# Altium PCB 輸出輸入擴充模組_20240808.PcbDoc
Units mil, origin at the board's own origin, x right, y up, seen from the top; angles counter-clockwise.
Board outline 1732.28 x 3937.01 mil, 2 copper layers (Top Layer, Bottom Layer), stack 61.756 mil thick; 40 components, 38 nets, 218 pads, 14 vias.
Unrouted connection lines stored in the file: 3.
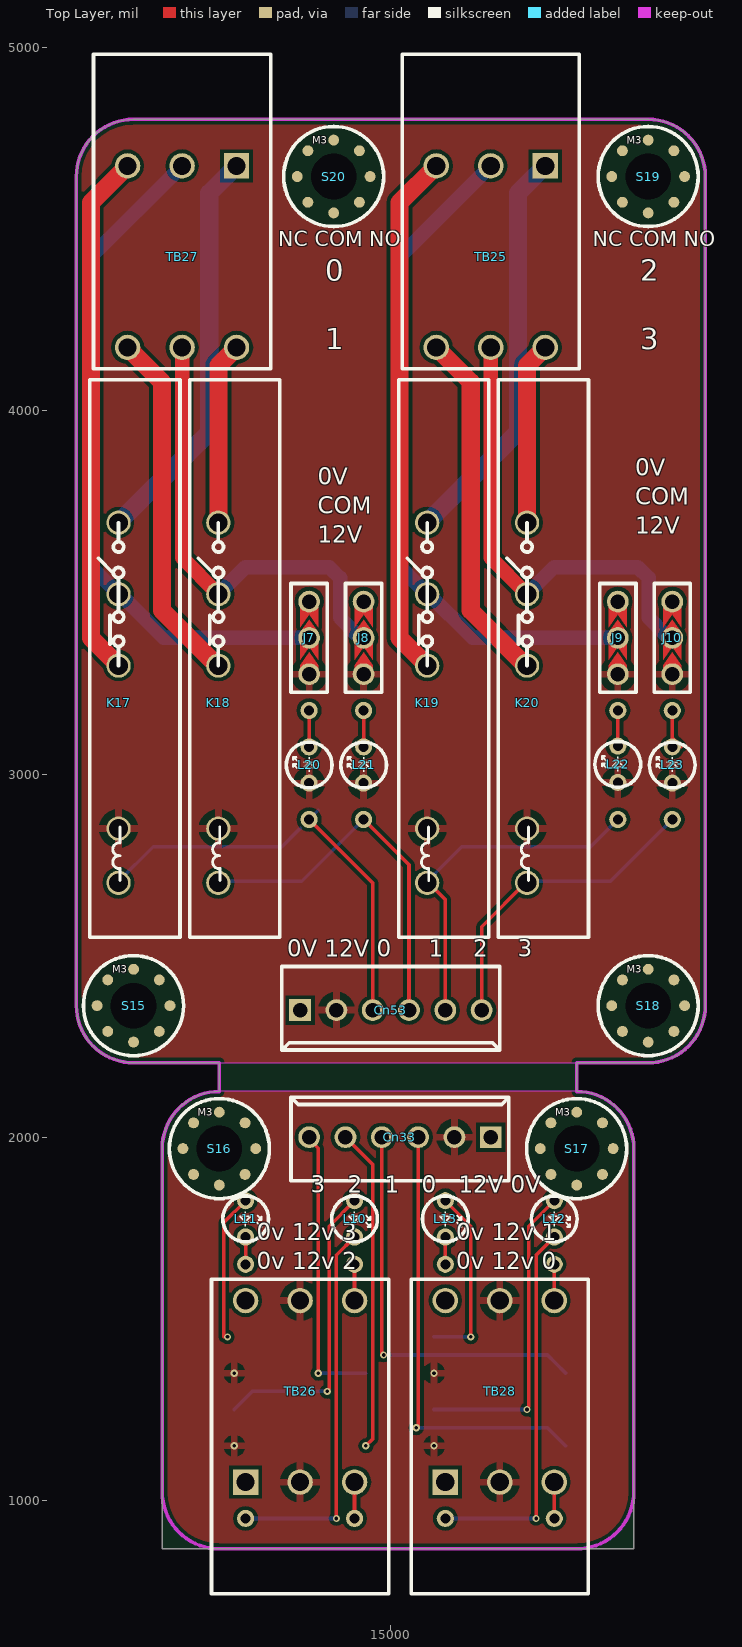
[diagram p0: Top Layer view]
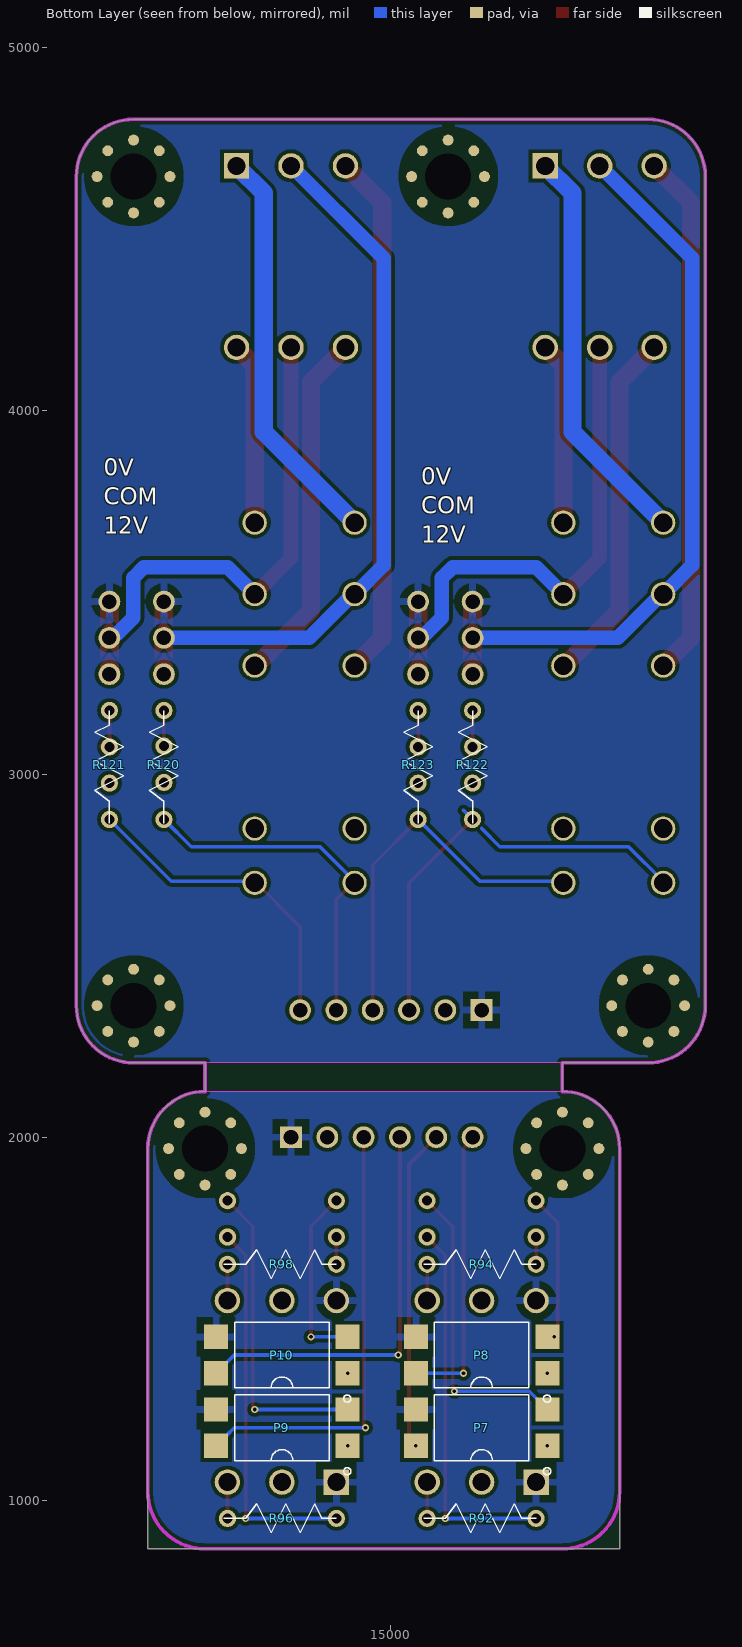
[diagram p1: Bottom Layer view, seen from below]
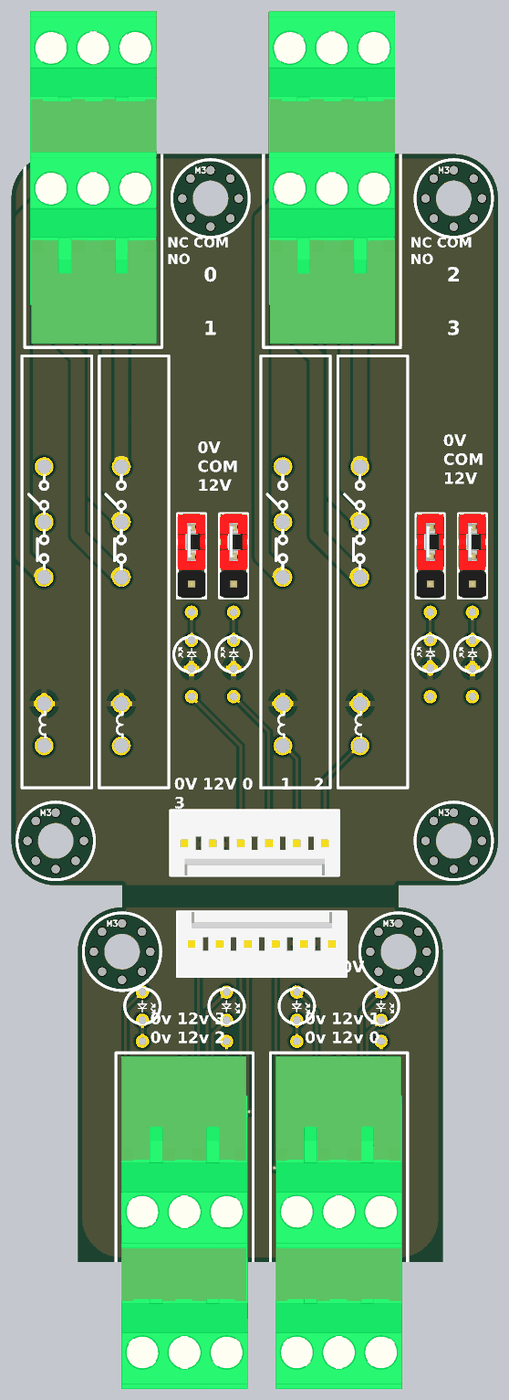
[diagram p2: 3D render of the assembled board from above, using the file's embedded part models]

## Layer stack, top to bottom
Top Solder: solder mask 1, SM-001, Dk 4
Top Layer: signal copper 1.378
Dielectric 1: core 59, Core-043, Dk 4.3
Bottom Layer: signal copper 1.378
Bottom Solder: solder mask 1, SM-001, Dk 4

## Board outline
14370.08,866.14 14370.08,1968.5 cw(c14527.56,1968.5) 14527.56,2125.98 14527.56,2204.72 14291.34,2204.72 cw(c14291.34,2362.2) 14133.86,2362.2 14133.86,4645.67 cw(c14291.34,4645.67) 14291.34,4803.15 15708.66,4803.15 cw(c15708.66,4645.67) 15866.14,4645.67 15866.14,2362.2 cw(c15708.66,2362.2) 15708.66,2204.72 15511.81,2204.72 15511.81,2125.98 cw(c15511.81,1968.5) 15669.29,1968.5 15669.29,866.14

## Design rules (kind name [scope] priority, off if disabled: settings)
Clearance [All] p1: gap=10 ignorepadtopadclearanceinfootprint=FALSE
ComponentClearance [All] p1: gap=0 collisioncheckmode=3 verticalgap=0 showdistances=FALSE
Height [All] p1: minheight=0 maxheight=2000 prefheight=500
PlaneClearance [All] p1: clearance=30
PlaneConnect [All] p1: planeconnectstyle=Relief reliefexpansion=20 reliefentries=4 reliefconductorwidth=10 reliefairgap=20
PolygonConnect [All] p1: connectstyle=Relief reliefconductorwidth=20 reliefentries=4 polygonreliefangle="90 Angle" airgapwidth=20
RoutingVias [All] p1: holewidth=28 width=50 viastyle="Through Hole" minholewidth=10 minwidth=20 maxholewidth=28 maxwidth=50
SolderMaskExpansion [All] p1: expansion=4 istentingtop=FALSE
Width [All] p1: maxlimit=100 minlimit=10 preferedwidth=10 minimp=50.000000 maximp=50.000000 favimp=50.000000
26 further rules are at their usual default settings.

## Components (designator, comment, footprint, x,y, rotation, side; value= is the part's Value field where it differs from the comment)
Cn33 "KF2510-6" Connector_KF2510-6A 15275,2000 r270 top
Cn53 "KF2510-6" Connector_KF2510-6A 14750,2350 r90 top
J7 "Jumper(3P)" Bypass_Jumper(3P) 14775,3375 r90 top
J8 "Jumper(3P)" Bypass_Jumper(3P) 14925,3375 r90 top
J9 "Jumper(3P)" Bypass_Jumper(3P) 15625,3375 r90 top
J10 "Jumper(3P)" Bypass_Jumper(3P) 15775,3375 r90 top
K17 "41F-1Z-A" RELAY-HF41F-012-ZST 14250,3495.67 r90 top
K18 "41F-1Z-A" RELAY-HF41F-012-ZST 14525,3495.67 r90 top
K19 "41F-1Z-A" RELAY-HF41F-012-ZST 15100,3495.67 r90 top
K20 "41F-1Z-A" RELAY-HF41F-012-ZST 15375,3495.67 r90 top
L10 "紅" LED-3mm 14900,1775 r90 top
L11 "紅" LED-3mm 14600,1775 r90 top
L12 "紅" LED-3mm 15450,1775 r90 top
L13 "紅" LED-3mm 15150,1775 r90 top
L20 "紅" LED-3mm 14775,3025 r270 top
L21 "紅" LED-3mm 14925,3025 r270 top
L22 "紅" LED-3mm 15625,3026.97 r270 top
L23 "紅" LED-3mm 15775,3025 r270 top
P7 "PC817" PC817 14750,1200 r0 bottom
P8 "PC817" PC817 14750,1400 r0 bottom
P9 "PC817" PC817 15300,1200 r0 bottom
P10 "PC817" PC817 15300,1400 r0 bottom
R92 "1K" Res_1/4 14750,950 r180 bottom
R94 "1K" Res_1/4 14750,1650 r180 bottom
R96 "1K" Res_1/4 15300,950 r180 bottom
R98 "1K" Res_1/4 15300,1650 r180 bottom
R120 "1K" Res_1/4 15625,3025 r90 bottom
R121 "1K" Res_1/4 15775,3025 r90 bottom
R122 "1K" Res_1/4 14775,3025 r90 bottom
R123 "1K" Res_1/4 14925,3025 r90 bottom
S15 "M3" "Screw M3" 14291.34,2362.2 r0 top
S16 "M3" "Screw M3" 14527.56,1968.5 r0 top
S17 "M3" "Screw M3" 15511.81,1968.5 r0 top
S18 "M3" "Screw M3" 15708.66,2362.2 r0 top
S19 "M3" "Screw M3" 15708.66,4645.67 r0 top
S20 "M3" "Screw M3" 14842.52,4645.67 r0 top
TB25 "KF2EDGRT-5.08_6P" "Terminal block(KF2EDGRT-3.81_6P)" 15275,4675 r180 top
TB26 "KF2EDGRT-5.08_6P" "Terminal block(KF2EDGRT-3.81_6P)" 14750,1050 r0 top
TB27 "KF2EDGRT-5.08_6P" "Terminal block(KF2EDGRT-3.81_6P)" 14425,4675 r180 top
TB28 "KF2EDGRT-5.08_6P" "Terminal block(KF2EDGRT-3.81_6P)" 15300,1050 r0 top

## Footprints (in the part's own frame and the unit in brackets; to place one, negate y for a bottom-side part, rotate by r counter-clockwise, add the part's x,y. Pads: shape width x height; smd on the part's side, far side on the other; paste and mask are expansions set on the pad)
Bypass_Jumper(3P) [mil] "跳針(3P)"
  round 60 hole 40: 1(0,0) 2(100,0) 3(-100,0)
  Top Layer region: -95,-25 -95,25 -75,25 -40,0 -75,-25
  Top Layer region: -60,-25 -25,0 -60,25 -5,25 -5,-25
  Top Layer region: -5,-25 -5,25 15,25 50,0 15,-25
  Top Layer region: 30,-25 65,0 30,25 85,25 85,-25
  silkscreen extent -150,-50 150,50, body extent -150,-50 150,50, height 354
Connector_KF2510-6A [mil] "防呆接頭(6P)"
  rect 60x60 hole 40: 1(0,0)
  round 60 hole 40: 2(0,-100) 3(0,-200) 4(0,-300) 5(0,-400) 6(0,-500)
  silkscreen extent -110,-550 120,50, body extent -110,-549 118,49, height 124
LED-3mm [mm]
  round 1.2 hole 0.7: 1(-1.27,0) 2(1.27,0)
  silkscreen extent -1.6,-1.6 1.6,1.6
PC817 [mm] "光耦IC"
  rect 1.68x1.71 smd: 1(-4.6,1.27) 2(-4.6,-1.27) 3(4.6,-1.27) 4(4.6,1.27)
  silkscreen extent -4.83,-2.3 3.3,3.3, body extent -5.08,-2.29 5.08,2.29, height 4.73
RELAY-HF41F-012-ZST [mm] "HF41F-012-ZST+41F-1Z-A"
  round 1.7 hole 1.3: 1(0,0) 2(5,0) 3(-5,0) 4(-16.4,0) 5(-20.2,0)
  silkscreen extent -24,-4.3 15,2
Res_1/4 [mm] "1/4W DIP電阻"
  round 1.2 hole 0.7: 1(-3.81,0) 2(3.81,0)
  silkscreen extent -4.06,-1.02 3.81,1.02
"Screw M3" [mil] "螺絲 M3"
  round 30 smd: 1(-100.39,0) 1(-70.99,-70.99) 1(-70.99,70.99) 1(0,-100.39) 1(0,100.39) 1(70.99,-70.99) 1(70.99,70.99) 1(100.39,0)
  round 30 smd far side: 1(-100.39,0) 1(-70.99,-70.99) 1(-70.99,70.99) 1(0,-100.39) 1(0,100.39) 1(70.99,-70.99) 1(70.99,70.99) 1(100.39,0)
  round 118.11 hole 125.98: 1(0,0)
  Multi-Layer pour cut-out: -1.1,-137.13 -53.83,-126.64 -98.54,-96.77 -128.41,-52.07 -138.9,0.67 -138.9,0.67 -128.41,53.4 -98.54,98.1 -53.83,127.97 -1.1,138.46 -1.1,138.46 51.63,127.97 96.33,98.1 126.2,53.4 136.69,0.67 136.69,0.67 126.2,-52.07 96.33,-96.77 51.63,-126.64 -1.1,-137.13
  silkscreen extent -138,-138 138,138, body extent -108,-108 108,108, height 118
"Terminal block(KF2EDGRT-3.81_6P)" [mil] "端子台(KF2EDGRT-3.81_6P)"
  rect 70x70 hole 50: 1(-150,0)
  round 70 hole 50: 2(0,0) 3(150,0) 4(-150,500) 5(0,500) 6(150,500)
  silkscreen extent -244,-307 244,559, body extent -225,-636 225,546, height 1125

## Part data
Cn33 Cn53: library part Contact(6P), "接線端子"
J7 J8 J9 J10: library part Bypass_Jumper(3P), "跳線帽"
K17 K18 K19 K20: library part Relay, "繼電器"
L10 L11 L12 L13 L20 L21 L22 L23: library part LED, "LED"
P7 P8 P9 P10: "光耦"
R92 R94 R96 R98 R120 R121 R122 R123: library part Res, "電阻"
S15 S16 S17 S18 S19 S20: library part Screw, "螺絲(非焊接元件)"
TB25 TB26 TB27 TB28: library part "Terminal block(6P)", "端子台"

## Via types
v1: diameter 20, hole 10, Top Layer to Bottom Layer, tented both sides, 14 vias

## Nets (pads, with @x,y where several pads share a name; then routed paths per layer and width w, separated by ;. In a path a pad name is that pad's centre, name@x,y a point inside that pad or via, vN(x,y) a via of type N, cw(c..) or ccw(c..) an arc to the next point about the centre after c; other vN are vias at no path point)
+12: Cn33.2 Cn53.2 J7.3 J8.3 J9.3 J10.3 K17.4 K18.4 K19.4 K20.4 L20.2 L21.2 L22.2 L23.2 P7.1 P8.1 P9.1 P10.1 TB26.2 TB26.5 TB28.2 TB28.5
  other v1: 14568.92,1149.99 15118.92,1149.99 14568.92,1349.99 15118.92,1349.99
COM0: J7.1 K17.1 TB27.2 | length 1894.9
  Bottom Layer w40: K17.1 14170,3575.67 14170,4420 TB27.2 ; K17.1@14250,3500 14252.17,3497.83 14375,3375 J7.1
COM1: J8.1 K18.1 TB27.5 | length 1296.7
  Top Layer w40: TB27.5 14425,3595.67 K18.1
  Bottom Layer w40: K18.1 14599.33,3570 14830,3570 14860,3540 14860,3430 14905,3385 14909.59,3385 14919.59,3375 J8.1
COM2: J9.1 K19.1 TB25.2 | length 1894.9
  Bottom Layer w40: K19.1 15020,3575.67 15020,4420 TB25.2 ; K19.1@15100,3500 15102.17,3497.83 15225,3375 J9.1
COM3: J10.1 K20.1 TB25.5 | length 1291.3
  Top Layer w40: TB25.5 15275,3595.67 K20.1
  Bottom Layer w40: K20.1 15449.33,3570 15680,3570 15710,3540 15710,3430 15755,3385 15759.59,3385 J10.1@15769.59,3375
GND: Cn33.1 Cn53.1 J7.2 J8.2 J9.2 J10.2 P7.3 P8.3 P9.3 P10.3 TB26.1 TB26.4 TB28.1 TB28.4
IN_0: Cn33.3 P9.4 | length 1234.3
  Top Layer w10: v1(15070,1200) 15075,1205 Cn33.3
  Bottom Layer w10: v1(15070,1200) 15431.12,1200 15452.46,1178.65 15453.05,1178.65 15481.12,1150.58 P9.4
IN_1: Cn33.4 P10.4 | length 1124.3
  Top Layer w10: Cn33.4 14975,1405 v1(14980,1400)
  Bottom Layer w10: v1(14980,1400) 15431.12,1400 15452.46,1378.65 15453.05,1378.65 15481.12,1350.58 P10.4
IN_2: Cn33.5 P7.4 | length 888.9
  Top Layer w10: Cn33.5 14950,1925 14950,1168.87 v1(14931.12,1149.99)
IN_3: Cn33.6 P8.4 | length 791.5
  Top Layer w10: Cn33.6 14775,1994.64 14800,1969.64 v1(14800,1350)
  Bottom Layer w10: v1(14800,1350) P8.4
IN_光耦_0: R96.1 TB28.3 | length 100
  Top Layer w10: R96.1 TB28.3
IN_光耦_1: R98.1 TB28.6 | length 100
  Top Layer w10: TB28.6 R98.1
IN_光耦_2: R92.1 TB26.3 | length 100
  Top Layer w10: R92.1 TB26.3
IN_光耦_3: R94.1 TB26.6 | length 100
  Top Layer w10: TB26.6 R94.1
NC0: K17.3 TB27.3 | length 1449.6
  Top Layer w50: K17.3 14173.86,3374.96 14173.86,4573.86 TB27.3
NC1: K18.3 TB27.6 | length 982
  Top Layer w50: TB27.6 14370,4080 14370,3450 14521.18,3298.82 K18.3
NC2: K19.3 TB25.3 | length 1449.6
  Top Layer w50: K19.3 15023.86,3374.96 15023.86,4573.86 TB25.3
NC3: K20.3 TB25.6 | length 982
  Top Layer w50: TB25.6 15220,4080 15220,3450 15371.18,3298.82 K20.3
NetL10_1: L10.1 R92.2 | length 1045.7
  Top Layer w10: v1(14850,950) 14850,1675 L10.1
  Bottom Layer w10: R92.2 v1(14850,950)
NetL10_2: L10.2 P7.2 | length 833.1
  Top Layer w10: v1(14825,1299.82) 14825,1302.53 14830,1307.53 14830,1755 L10.2
  Bottom Layer w10: P7.2 14618.92,1300 14824.82,1300 v1(14825,1299.82)
NetL11_1: L11.1 R94.2 | length 75
  Top Layer w10: R94.2 L11.1
NetL11_2: L11.2 P8.2 | length 399.9
  Top Layer w10: v1@14540,1450 14540,1765 L11.2
  other v1: 14550,1450
NetL12_1: L12.1 R96.2 | length 1045.7
  Top Layer w10: v1(15400,950) 15400,1675 L12.1
  Bottom Layer w10: R96.2 v1(15400,950)
NetL12_2: L12.2 P9.2 | length 862.2
  Top Layer w10: v1(15375,1250) 15375,1252.71 15380,1257.71 15380,1755 L12.2
  Bottom Layer w10: P9.2 v1(15375,1250)
NetL13_1: L13.1 R98.2 | length 75
  Top Layer w10: R98.2 L13.1
NetL13_2: L13.2 P10.2 | length 505.1
  Top Layer w10: L13.2 15220,1755 v1(15220,1450)
  Bottom Layer w10: P10.2 v1(15220,1450)
NetL20_1: L20.1 R122.2 | length 100
  Top Layer w10: L20.1 R122.2
NetL21_1: L21.1 R123.2 | length 100
  Top Layer w10: L21.1 R123.2
NetL22_1: L22.1 R120.2 | length 98
  Top Layer w10: L22.1 R120.2
NetL23_1: L23.1 R121.2 | length 110.4
  Top Layer w10: R121.2 15775,3100 15800,3075
NO0: K17.2 TB27.1 | length 1117.1
  Bottom Layer w50: K17.2 14500,3942.52 14500,4600 TB27.1
NO1: K18.2 TB27.4 | length 503.2
  Top Layer w50: K18.2 14525,4125 TB27.4
NO2: K19.2 TB25.1 | length 1117.1
  Bottom Layer w50: K19.2 15350,3942.52 15350,4600 TB25.1
NO3: K20.2 TB25.4 | length 503.2
  Top Layer w50: K20.2 15375,4125 TB25.4
OUT_0: Cn53.3 K17.5 R122.1 | length 1193
  Top Layer w10: R122.1 14950,2700 Cn53.3
  Bottom Layer w10: K17.5@14250,2704.72 14345.28,2800 14700,2800 14750,2850 ; R122.1 14800,2900
OUT_1: Cn53.4 K18.5 R123.1 | length 1040.2
  Top Layer w10: R123.1 15050,2750 Cn53.4
  Bottom Layer w10: K18.5@14525,2704.72 14754.72,2704.72 R123.1@14920,2870
OUT_2: Cn53.5 K19.5 R120.1 | length 971
  Top Layer w10: K19.5@15100,2704.72 15150,2654.72 Cn53.5
  Bottom Layer w10: K19.5@15100,2704.72 15195.28,2800 15550,2800 R120.1
OUT_3: Cn53.6 K20.5 R121.1 | length 877
  Top Layer w10: Cn53.6 15250,2579.72 K20.5@15375,2704.72 ; R121.1@15770,2880 R121.1
  Bottom Layer w10: K20.5@15375,2704.72 15604.72,2704.72 R121.1@15770,2870
pads on no net: S15.1 S16.1 S17.1 S18.1 S19.1 S20.1

## Polygon pours and split planes (outlines as drawn)
+12 on Top Layer "+12_L01_P001" (solid, pour order 1): 14370.08,1023.62 ccw(c14527.56,1023.62) 14527.56,866.14 15511.81,866.14 ccw(c15511.81,1023.62) 15669.29,1023.62 15669.29,1968.5 ccw(c15511.81,1968.5) 15511.81,2125.98 15511.81,2204.72 15708.66,2204.72 ccw(c15708.66,2362.2) 15866.14,2362.2 15866.14,4645.67 ccw(c15708.66,4645.67) 15708.66,4803.15 14291.34,4803.15 ccw(c14291.34,4645.67) 14133.86,4645.67 14133.86,2362.2 ccw(c14291.34,2362.2) 14291.34,2204.72 14527.56,2204.72 14527.56,2125.98 ccw(c14527.56,1968.5) 14370.08,1968.5
GND on Bottom Layer "GND_L02_P000" (solid, pour order 0): 14370.08,1023.62 ccw(c14527.56,1023.62) 14527.56,866.14 15511.81,866.14 ccw(c15511.81,1023.62) 15669.29,1023.62 15669.29,1968.5 ccw(c15511.81,1968.5) 15511.81,2125.98 15511.81,2204.72 15708.66,2204.72 ccw(c15708.66,2362.2) 15866.14,2362.2 15866.14,4645.67 ccw(c15708.66,4645.67) 15708.66,4803.15 14291.34,4803.15 ccw(c14291.34,4645.67) 14133.86,4645.67 14133.86,2362.2 ccw(c14291.34,2362.2) 14291.34,2204.72 14527.56,2204.72 14527.56,2125.98 ccw(c14527.56,1968.5) 14370.08,1968.5

## Keep-outs
Keep-Out Layer:
  pour cut-out: 14527.56,2204.72 15511.81,2204.72 15511.81,2125.98 14527.56,2125.98
  lines w10: 14133.86,2362.2 ccw(c14291.34,2362.2) 14291.34,2204.72 14527.56,2204.72 14527.56,2125.98 ccw(c14527.56,1968.5) 14370.08,1968.5 14370.08,1023.62 ccw(c14527.56,1023.62) 14527.56,866.14 15511.81,866.14 ccw(c15511.81,1023.62) 15669.29,1023.62 15669.29,1968.5 ccw(c15511.81,1968.5) 15511.81,2125.98 15511.81,2204.72 15708.66,2204.72 ccw(c15708.66,2362.2) 15866.14,2362.2 15866.14,4645.67 ccw(c15708.66,4645.67) 15708.66,4803.15 14291.34,4803.15 ccw(c14291.34,4645.67) 14133.86,4645.67 14133.86,2362.2

## Silkscreen, mask and mechanical layers (free items; w line width, h text height)
Top Overlay:
  text "NC COM NO" at 14690,4440 h70
  text "NC COM NO" at 15556.14,4440 h70
  text "0" at 14820,4340 h100
  text "2" at 15686.14,4340 h100
  text "1" at 14820,4150 h100
  text "3" at 15686.14,4150 h100
  text "0V / COM / 12V" at 15673.11,3645.47 h80
  text "0V / COM / 12V" at 14798.11,3620.47 h80
  text "0V 12V 0     1    2    3" at 14715,2480 h80
  text "3   2   1   0   12V 0V" at 14780,1830 h80
  text "0v 12v 3 / 0v 12v 2" at 14630,1620 h80
  text "0v 12v 1 / 0v 12v 0" at 15180,1620 h80
Bottom Overlay:
  text "0V / COM / 12V" at 15791.22,3645.47 h80
  text "0V / COM / 12V" at 14916.22,3620.47 h80